# Altium PCB PCB2.PcbDoc (part 1 of 3) (continued)
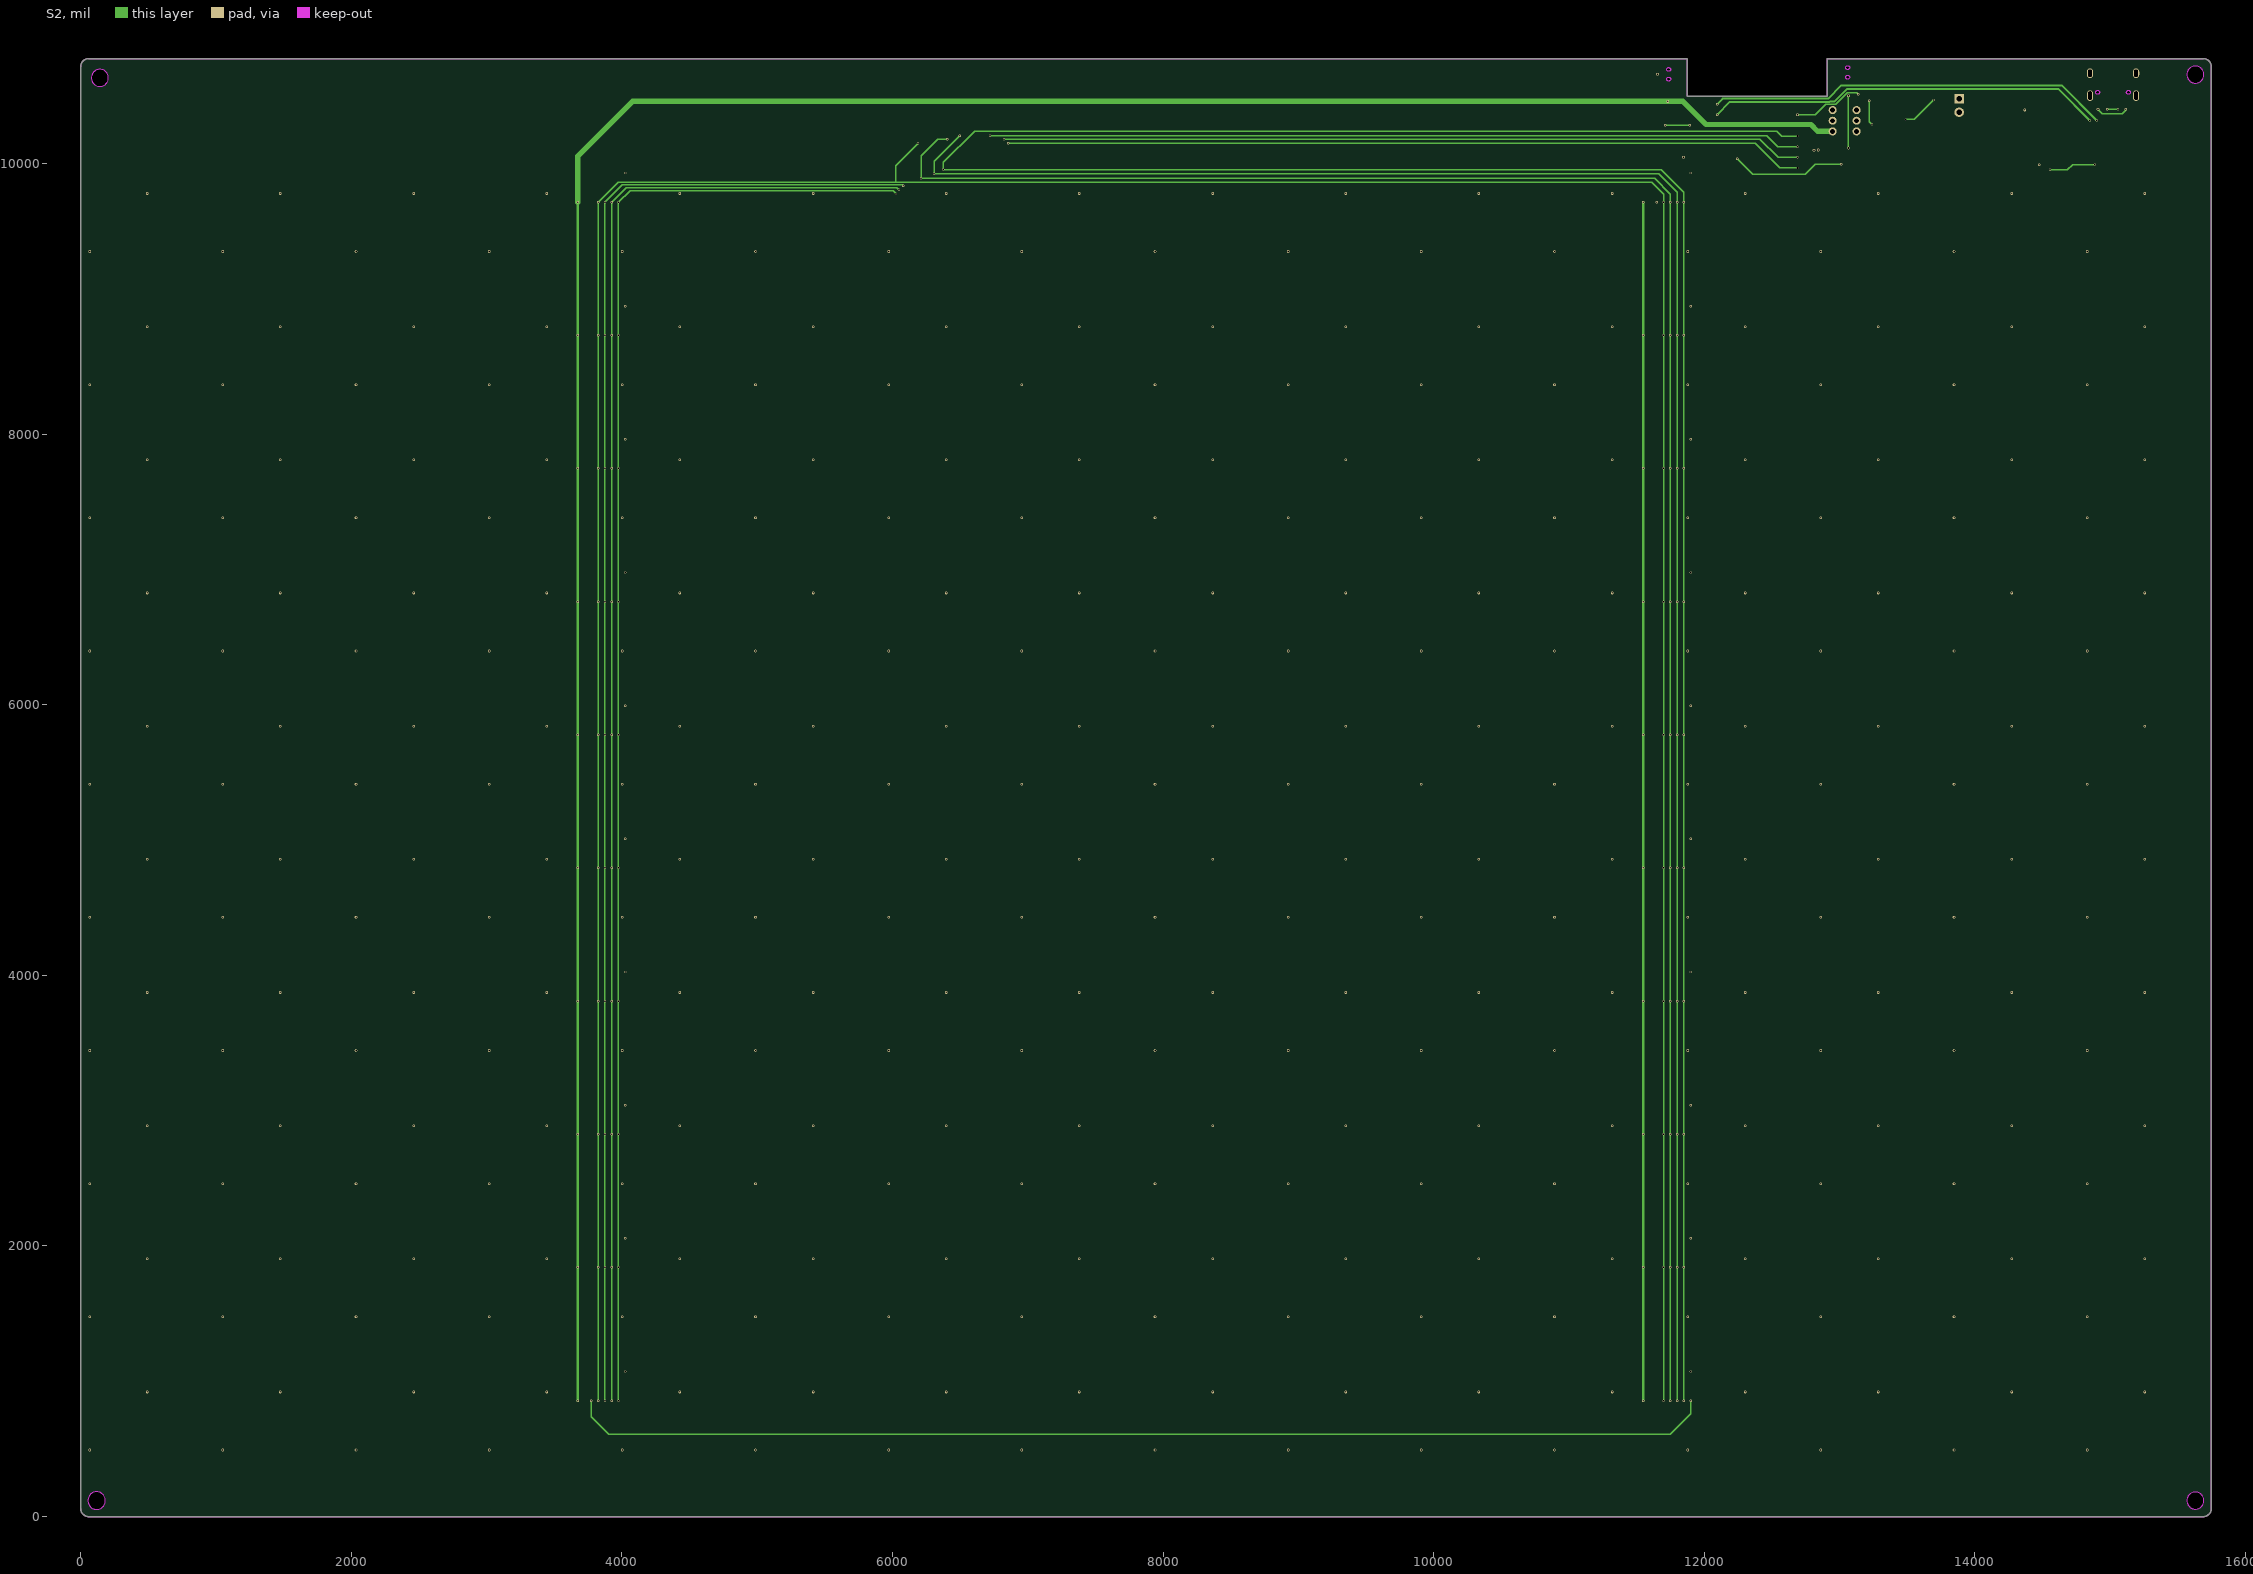
[diagram p3: S2]

## Layer stack, top to bottom
Top Solder: solder mask 0.4, Solder Resist, Dk 3.5
Top Layer: signal copper 1.4
Dielectric 1: core 10, FR-4, Dk 4.2
Y1: signal copper 1.4173
Dielectric 2: prepreg 5, Dk 4.2
S2: signal copper 1.4
Dielectric3: dielectric 12.6, FR-4, Dk 4.8
Bottom Layer: signal copper 1.4
Bottom Solder: solder mask 0.4, Solder Resist, Dk 3.5

## Board outline
-0.16,57.9 ccw(c58.9,57.9) 58.9,-1.16 15688.82,-1.16 ccw(c15688.82,57.9) 15747.87,57.9 15747.87,10715.38 ccw(c15688.82,10715.38) 15688.82,10774.43 12909,10774.43 12908.85,10774.28 12908.85,10497.3 11875.15,10497.3 11875.15,10774.28 59.05,10774.28 58.9,10774.43 ccw(c58.9,10715.38) -0.16,10715.38
cut-out: 15566.58,117.11 ccw(c15629.57,117.11) 15629.57,54.12 ccw(c15629.57,117.11) 15692.57,117.11 ccw(c15629.57,117.11) 15629.57,180.1 ccw(c15629.57,117.11)
cut-out: 52.99,116.95 ccw(c117.95,116.95) 117.95,51.99 ccw(c117.95,116.95) 182.91,116.95 ccw(c117.95,116.95) 117.95,181.91 ccw(c117.95,116.95)
cut-out: 78.58,10632.63 ccw(c141.57,10632.63) 141.57,10569.64 ccw(c141.57,10632.63) 204.57,10632.63 ccw(c141.57,10632.63) 141.57,10695.62 ccw(c141.57,10632.63)
cut-out: 15566.58,10656.63 ccw(c15629.57,10656.63) 15629.57,10593.64 ccw(c15629.57,10656.63) 15692.57,10656.63 ccw(c15629.57,10656.63) 15629.57,10719.62 ccw(c15629.57,10656.63)

## Design rules (kind name [scope] priority, off if disabled: settings)
Clearance [All] p1: gap=10 except(3.94: Via-Poly; 5: Track-Track Track-SMDPad Track-THPad Track-Via SMDPad-SMDPad)
MinimumSolderMaskSliver [All] p1: minsoldermaskwidth=0
PolygonConnect [All] p1: connectstyle=Direct reliefconductorwidth=10 reliefentries=4 polygonreliefangle="90 Angle" airgapwidth=10
RoutingVias [All] p1: holewidth=28 width=50 viastyle="Through Hole" minholewidth=28 minwidth=50 maxholewidth=28 maxwidth=50
SilkToSilkClearance [All] p1: silktosilkclearance=1
SilkToSolderMaskClearance [IsPad] p1: minsilkscreentomaskgap=0 clearancetoexposedcopper=TRUE
SolderMaskExpansion [All] p1: expansion=4
Width [All] p1: maxlimit=39.37 minlimit=5 preferedwidth=10
27 further rules are at their usual default settings.

## Components (designator, comment, footprint, x,y, rotation, side; value= is the part's Value field where it differs from the comment)
BR_1 "24K" R0603 15227,9600 r180 bottom (schematic designator R57)
BR_1_1 "24K" R0603 15227,8615.75 r180 bottom (schematic designator R57)
BR_1_2 "24K" R0603 15227,7631.5 r180 bottom (schematic designator R57)
BR_1_3 "24K" R0603 15227,6647.24 r180 bottom (schematic designator R57)
BR_1_4 "24K" R0603 15227,5662.99 r180 bottom (schematic designator R57)
BR_1_5 "24K" R0603 15227,4678.74 r180 bottom (schematic designator R57)
BR_1_6 "24K" R0603 15227,3694.49 r180 bottom (schematic designator R57)
BR_1_7 "24K" R0603 15227,2710.24 r180 bottom (schematic designator R57)
BR_1_8 "24K" R0603 15227,1725.98 r180 bottom (schematic designator R57)
BR_1_9 "24K" R0603 15227,741.73 r180 bottom (schematic designator R57)
BR_1_10 "24K" R0603 7352.98,9600 r180 bottom (schematic designator R57)
BR_1_11 "24K" R0603 7352.98,8615.75 r180 bottom (schematic designator R57)
BR_1_12 "24K" R0603 7352.98,7631.5 r180 bottom (schematic designator R57)
BR_1_13 "24K" R0603 7352.98,6647.24 r180 bottom (schematic designator R57)
BR_1_14 "24K" R0603 7352.98,5662.99 r180 bottom (schematic designator R57)
BR_1_15 "24K" R0603 7352.98,4678.74 r180 bottom (schematic designator R57)
BR_1_16 "24K" R0603 7352.98,3694.49 r180 bottom (schematic designator R57)
BR_1_17 "24K" R0603 7352.98,2710.24 r180 bottom (schematic designator R57)
BR_1_18 "24K" R0603 7352.98,1725.98 r180 bottom (schematic designator R57)
BR_1_19 "24K" R0603 7352.98,741.73 r180 bottom (schematic designator R57)
BR_2 "24K" R0603 14242.75,9600 r180 bottom (schematic designator R57)
BR_2_1 "24K" R0603 14242.75,8615.75 r180 bottom (schematic designator R57)
BR_2_2 "24K" R0603 14242.75,7631.5 r180 bottom (schematic designator R57)
BR_2_3 "24K" R0603 14242.75,6647.24 r180 bottom (schematic designator R57)
BR_2_4 "24K" R0603 14242.75,5662.99 r180 bottom (schematic designator R57)
BR_2_5 "24K" R0603 14242.75,4678.74 r180 bottom (schematic designator R57)
BR_2_6 "24K" R0603 14242.75,3694.49 r180 bottom (schematic designator R57)
BR_2_7 "24K" R0603 14242.75,2710.24 r180 bottom (schematic designator R57)
BR_2_8 "24K" R0603 14242.75,1725.98 r180 bottom (schematic designator R57)
BR_2_9 "24K" R0603 14242.75,741.73 r180 bottom (schematic designator R57)
BR_2_10 "24K" R0603 6368.73,9600 r180 bottom (schematic designator R57)
BR_2_11 "24K" R0603 6368.73,8615.75 r180 bottom (schematic designator R57)
BR_2_12 "24K" R0603 6368.73,7631.5 r180 bottom (schematic designator R57)
BR_2_13 "24K" R0603 6368.73,6647.24 r180 bottom (schematic designator R57)
BR_2_14 "24K" R0603 6368.73,5662.99 r180 bottom (schematic designator R57)
BR_2_15 "24K" R0603 6368.73,4678.74 r180 bottom (schematic designator R57)
BR_2_16 "24K" R0603 6368.73,3694.49 r180 bottom (schematic designator R57)
BR_2_17 "24K" R0603 6368.73,2710.24 r180 bottom (schematic designator R57)
BR_2_18 "24K" R0603 6368.73,1725.98 r180 bottom (schematic designator R57)
BR_2_19 "24K" R0603 6368.73,741.73 r180 bottom (schematic designator R57)
BR_3 "24K" R0603 13258.5,9600 r180 bottom (schematic designator R57)
BR_3_1 "24K" R0603 13258.5,8615.75 r180 bottom (schematic designator R57)
BR_3_2 "24K" R0603 13258.5,7631.5 r180 bottom (schematic designator R57)
BR_3_3 "24K" R0603 13258.5,6647.24 r180 bottom (schematic designator R57)
BR_3_4 "24K" R0603 13258.5,5662.99 r180 bottom (schematic designator R57)
BR_3_5 "24K" R0603 13258.5,4678.74 r180 bottom (schematic designator R57)
BR_3_6 "24K" R0603 13258.5,3694.49 r180 bottom (schematic designator R57)
BR_3_7 "24K" R0603 13258.5,2710.24 r180 bottom (schematic designator R57)
BR_3_8 "24K" R0603 13258.5,1725.98 r180 bottom (schematic designator R57)
BR_3_9 "24K" R0603 13258.5,741.73 r180 bottom (schematic designator R57)
BR_3_10 "24K" R0603 5384.48,9600 r180 bottom (schematic designator R57)
BR_3_11 "24K" R0603 5384.48,8615.75 r180 bottom (schematic designator R57)
BR_3_12 "24K" R0603 5384.48,7631.5 r180 bottom (schematic designator R57)
BR_3_13 "24K" R0603 5384.48,6647.24 r180 bottom (schematic designator R57)
BR_3_14 "24K" R0603 5384.48,5662.99 r180 bottom (schematic designator R57)
BR_3_15 "24K" R0603 5384.48,4678.74 r180 bottom (schematic designator R57)
BR_3_16 "24K" R0603 5384.48,3694.49 r180 bottom (schematic designator R57)
BR_3_17 "24K" R0603 5384.48,2710.24 r180 bottom (schematic designator R57)
BR_3_18 "24K" R0603 5384.48,1725.98 r180 bottom (schematic designator R57)
BR_3_19 "24K" R0603 5384.48,741.73 r180 bottom (schematic designator R57)
BR_4 "24K" R0603 12274.24,9600 r180 bottom (schematic designator R57)
BR_4_1 "24K" R0603 12274.24,8615.75 r180 bottom (schematic designator R57)
BR_4_2 "24K" R0603 12274.24,7631.5 r180 bottom (schematic designator R57)
BR_4_3 "24K" R0603 12274.24,6647.24 r180 bottom (schematic designator R57)
BR_4_4 "24K" R0603 12274.24,5662.99 r180 bottom (schematic designator R57)
BR_4_5 "24K" R0603 12274.24,4678.74 r180 bottom (schematic designator R57)
BR_4_6 "24K" R0603 12274.24,3694.49 r180 bottom (schematic designator R57)
BR_4_7 "24K" R0603 12274.24,2710.24 r180 bottom (schematic designator R57)
BR_4_8 "24K" R0603 12274.24,1725.98 r180 bottom (schematic designator R57)
BR_4_9 "24K" R0603 12274.24,741.73 r180 bottom (schematic designator R57)
BR_4_10 "24K" R0603 4400.23,9600 r180 bottom (schematic designator R57)
BR_4_11 "24K" R0603 4400.23,8615.75 r180 bottom (schematic designator R57)
BR_4_12 "24K" R0603 4400.23,7631.5 r180 bottom (schematic designator R57)
BR_4_13 "24K" R0603 4400.23,6647.24 r180 bottom (schematic designator R57)
BR_4_14 "24K" R0603 4400.23,5662.99 r180 bottom (schematic designator R57)
BR_4_15 "24K" R0603 4400.23,4678.74 r180 bottom (schematic designator R57)
BR_4_16 "24K" R0603 4400.23,3694.49 r180 bottom (schematic designator R57)
BR_4_17 "24K" R0603 4400.23,2710.24 r180 bottom (schematic designator R57)
BR_4_18 "24K" R0603 4400.23,1725.98 r180 bottom (schematic designator R57)
BR_4_19 "24K" R0603 4400.23,741.73 r180 bottom (schematic designator R57)
BR_5 "24K" R0603 11348,9600 r0 bottom (schematic designator R57)
BR_5_1 "24K" R0603 11348,8615.75 r0 bottom (schematic designator R57)
BR_5_2 "24K" R0603 11348,7631.5 r0 bottom (schematic designator R57)
BR_5_3 "24K" R0603 11348,6647.24 r0 bottom (schematic designator R57)
BR_5_4 "24K" R0603 11348,5662.99 r0 bottom (schematic designator R57)
BR_5_5 "24K" R0603 11348,4678.74 r0 bottom (schematic designator R57)
BR_5_6 "24K" R0603 11348,3694.49 r0 bottom (schematic designator R57)
BR_5_7 "24K" R0603 11348,2710.24 r0 bottom (schematic designator R57)
BR_5_8 "24K" R0603 11348,1725.98 r0 bottom (schematic designator R57)
BR_5_9 "24K" R0603 11348,741.73 r0 bottom (schematic designator R57)
BR_5_10 "24K" R0603 3473.98,9600 r0 bottom (schematic designator R57)
BR_5_11 "24K" R0603 3473.98,8615.75 r0 bottom (schematic designator R57)
BR_5_12 "24K" R0603 3473.98,7631.5 r0 bottom (schematic designator R57)
BR_5_13 "24K" R0603 3473.98,6647.24 r0 bottom (schematic designator R57)
BR_5_14 "24K" R0603 3473.98,5662.99 r0 bottom (schematic designator R57)
BR_5_15 "24K" R0603 3473.98,4678.74 r0 bottom (schematic designator R57)
BR_5_16 "24K" R0603 3473.98,3694.49 r0 bottom (schematic designator R57)
BR_5_17 "24K" R0603 3473.98,2710.24 r0 bottom (schematic designator R57)
BR_5_18 "24K" R0603 3473.98,1725.98 r0 bottom (schematic designator R57)
BR_5_19 "24K" R0603 3473.98,741.73 r0 bottom (schematic designator R57)
BR_6 "24K" R0603 10364,9599 r0 bottom (schematic designator R57)
BR_6_1 "24K" R0603 10364,8614.75 r0 bottom (schematic designator R57)
BR_6_2 "24K" R0603 10364,7630.5 r0 bottom (schematic designator R57)
BR_6_3 "24K" R0603 10364,6646.24 r0 bottom (schematic designator R57)
BR_6_4 "24K" R0603 10364,5661.99 r0 bottom (schematic designator R57)
BR_6_5 "24K" R0603 10364,4677.74 r0 bottom (schematic designator R57)
BR_6_6 "24K" R0603 10364,3693.49 r0 bottom (schematic designator R57)
BR_6_7 "24K" R0603 10364,2709.24 r0 bottom (schematic designator R57)
BR_6_8 "24K" R0603 10364,1724.98 r0 bottom (schematic designator R57)
BR_6_9 "24K" R0603 10364,740.73 r0 bottom (schematic designator R57)
BR_6_10 "24K" R0603 2489.98,9599 r0 bottom (schematic designator R57)
BR_6_11 "24K" R0603 2489.98,8614.75 r0 bottom (schematic designator R57)
BR_6_12 "24K" R0603 2489.98,7630.5 r0 bottom (schematic designator R57)
BR_6_13 "24K" R0603 2489.98,6646.24 r0 bottom (schematic designator R57)
BR_6_14 "24K" R0603 2489.98,5661.99 r0 bottom (schematic designator R57)
BR_6_15 "24K" R0603 2489.98,4677.74 r0 bottom (schematic designator R57)
BR_6_16 "24K" R0603 2489.98,3693.49 r0 bottom (schematic designator R57)
BR_6_17 "24K" R0603 2489.98,2709.24 r0 bottom (schematic designator R57)
BR_6_18 "24K" R0603 2489.98,1724.98 r0 bottom (schematic designator R57)
BR_6_19 "24K" R0603 2489.98,740.73 r0 bottom (schematic designator R57)
BR_7 "24K" R0603 9380,9598 r0 bottom (schematic designator R57)
BR_7_1 "24K" R0603 9380,8613.75 r0 bottom (schematic designator R57)
BR_7_2 "24K" R0603 9380,7629.5 r0 bottom (schematic designator R57)
BR_7_3 "24K" R0603 9380,6645.24 r0 bottom (schematic designator R57)
BR_7_4 "24K" R0603 9380,5660.99 r0 bottom (schematic designator R57)
BR_7_5 "24K" R0603 9380,4676.74 r0 bottom (schematic designator R57)
BR_7_6 "24K" R0603 9380,3692.49 r0 bottom (schematic designator R57)
BR_7_7 "24K" R0603 9380,2708.24 r0 bottom (schematic designator R57)
BR_7_8 "24K" R0603 9380,1723.98 r0 bottom (schematic designator R57)
BR_7_9 "24K" R0603 9380,739.73 r0 bottom (schematic designator R57)
BR_7_10 "24K" R0603 1505.98,9598 r0 bottom (schematic designator R57)
BR_7_11 "24K" R0603 1505.98,8613.75 r0 bottom (schematic designator R57)
BR_7_12 "24K" R0603 1505.98,7629.5 r0 bottom (schematic designator R57)
BR_7_13 "24K" R0603 1505.98,6645.24 r0 bottom (schematic designator R57)
BR_7_14 "24K" R0603 1505.98,5660.99 r0 bottom (schematic designator R57)
BR_7_15 "24K" R0603 1505.98,4676.74 r0 bottom (schematic designator R57)
BR_7_16 "24K" R0603 1505.98,3692.49 r0 bottom (schematic designator R57)
BR_7_17 "24K" R0603 1505.98,2708.24 r0 bottom (schematic designator R57)
BR_7_18 "24K" R0603 1505.98,1723.98 r0 bottom (schematic designator R57)
BR_7_19 "24K" R0603 1505.98,739.73 r0 bottom (schematic designator R57)
BR_8 "24K" R0603 8395,9601 r0 bottom (schematic designator R57)
BR_9 "24K" R0603 8395,8616.75 r0 bottom (schematic designator R57)
BR_10 "24K" R0603 8395,7632.5 r0 bottom (schematic designator R57)
BR_11 "24K" R0603 8395,6648.24 r0 bottom (schematic designator R57)
BR_12 "24K" R0603 8395,5663.99 r0 bottom (schematic designator R57)
BR_13 "24K" R0603 8395,4679.74 r0 bottom (schematic designator R57)
BR_14 "24K" R0603 8395,3695.49 r0 bottom (schematic designator R57)
BR_15 "24K" R0603 8395,2711.24 r0 bottom (schematic designator R57)
BR_16 "24K" R0603 8395,1726.98 r0 bottom (schematic designator R57)
BR_17 "24K" R0603 8395,742.73 r0 bottom (schematic designator R57)
BR_18 "24K" R0603 520.98,9601 r0 bottom (schematic designator R57)
BR_19 "24K" R0603 520.98,8616.75 r0 bottom (schematic designator R57)
BR_20 "24K" R0603 520.98,7632.5 r0 bottom (schematic designator R57)
BR_21 "24K" R0603 520.98,6648.24 r0 bottom (schematic designator R57)
BR_22 "24K" R0603 520.98,5663.99 r0 bottom (schematic designator R57)
BR_23 "24K" R0603 520.98,4679.74 r0 bottom (schematic designator R57)
BR_24 "24K" R0603 520.98,3695.49 r0 bottom (schematic designator R57)
BR_25 "24K" R0603 520.98,2711.24 r0 bottom (schematic designator R57)
BR_26 "24K" R0603 520.98,1726.98 r0 bottom (schematic designator R57)
BR_27 "24K" R0603 520.98,742.73 r0 bottom (schematic designator R57)
C1 "22u" C0805 13309.9,10423.8 r90 bottom
C2 "68pF" C0603#1 13495.72,10203.11 r180 bottom
C3 "22u" C0805 13218.7,10424.1 r90 bottom
C4 "CC0603KRX7R9BB104" C0603#1 14229.6,10149.46 r90 bottom
C5 "10u" C0805 13588.7,10418.6 r90 bottom
C6 "CC0603KRX7R9BB104" C0603#1 14114.4,10476.9 r90 bottom
C7 "C0603" C0603#2 14719.4,10131.2 r270 bottom
C8 "C0603" C0603#2 14639.2,10129.3 r90 bottom
C9 "100nF" C0603#1 14192.9,10476.2 r90 bottom
C12 "10u" C0603#1 12865.1,10041.2 r0 bottom
C13 "100nF" C0603#1 12865.1,9963.6 r0 bottom
C14 "100nF" C0603#1 14304,10150.3 r90 bottom
D1 "Comment" SC-79_L1.2-W0.8-LS1.6-RD 190.84,9348.84 r0 top locked
D1_1 "Comment" SC-79_L1.2-W0.8-LS1.6-RD 1175.09,9348.84 r0 top locked
D1_2 "Comment" SC-79_L1.2-W0.8-LS1.6-RD 2159.35,9348.84 r0 top locked
D1_3 "Comment" SC-79_L1.2-W0.8-LS1.6-RD 3143.6,9348.84 r0 top locked
D1_4 "Comment" SC-79_L1.2-W0.8-LS1.6-RD 4127.85,9348.84 r0 top locked
D1_5 "Comment" SC-79_L1.2-W0.8-LS1.6-RD 5112.1,9348.84 r0 top locked
D1_6 "Comment" SC-79_L1.2-W0.8-LS1.6-RD 6096.35,9348.84 r0 top locked
D1_7 "Comment" SC-79_L1.2-W0.8-LS1.6-RD 7080.61,9348.84 r0 top locked
D1_8 "Comment" SC-79_L1.2-W0.8-LS1.6-RD 8064.86,9348.84 r0 top locked
D1_9 "Comment" SC-79_L1.2-W0.8-LS1.6-RD 9049.11,9348.84 r0 top locked
D1_10 "Comment" SC-79_L1.2-W0.8-LS1.6-RD 10033.36,9348.84 r0 top locked
D1_11 "Comment" SC-79_L1.2-W0.8-LS1.6-RD 11017.61,9348.84 r0 top locked
D1_12 "Comment" SC-79_L1.2-W0.8-LS1.6-RD 12001.87,9348.84 r0 top locked
D1_13 "Comment" SC-79_L1.2-W0.8-LS1.6-RD 12986.12,9348.84 r0 top locked
D1_14 "Comment" SC-79_L1.2-W0.8-LS1.6-RD 13970.37,9348.84 r0 top locked
D1_15 "Comment" SC-79_L1.2-W0.8-LS1.6-RD 14954.62,9348.84 r0 top locked
D2 "Comment" SC-79_L1.2-W0.8-LS1.6-RD 190.84,8364.59 r0 top locked
D2_1 "Comment" SC-79_L1.2-W0.8-LS1.6-RD 1175.09,8364.59 r0 top locked
D2_2 "Comment" SC-79_L1.2-W0.8-LS1.6-RD 2159.35,8364.59 r0 top locked
D2_3 "Comment" SC-79_L1.2-W0.8-LS1.6-RD 3143.6,8364.59 r0 top locked
D2_4 "Comment" SC-79_L1.2-W0.8-LS1.6-RD 4127.85,8364.59 r0 top locked
D2_5 "Comment" SC-79_L1.2-W0.8-LS1.6-RD 5112.1,8364.59 r0 top locked
D2_6 "Comment" SC-79_L1.2-W0.8-LS1.6-RD 6096.35,8364.59 r0 top locked
D2_7 "Comment" SC-79_L1.2-W0.8-LS1.6-RD 7080.61,8364.59 r0 top locked
D2_8 "Comment" SC-79_L1.2-W0.8-LS1.6-RD 8064.86,8364.59 r0 top locked
D2_9 "Comment" SC-79_L1.2-W0.8-LS1.6-RD 9049.11,8364.59 r0 top locked
D2_10 "Comment" SC-79_L1.2-W0.8-LS1.6-RD 10033.36,8364.59 r0 top locked
D2_11 "Comment" SC-79_L1.2-W0.8-LS1.6-RD 11017.61,8364.59 r0 top locked
D2_12 "Comment" SC-79_L1.2-W0.8-LS1.6-RD 12001.87,8364.59 r0 top locked
D2_13 "Comment" SC-79_L1.2-W0.8-LS1.6-RD 12986.12,8364.59 r0 top locked
D2_14 "Comment" SC-79_L1.2-W0.8-LS1.6-RD 13970.37,8364.59 r0 top locked
D2_15 "Comment" SC-79_L1.2-W0.8-LS1.6-RD 14954.62,8364.59 r0 top locked
D3 "Comment" SC-79_L1.2-W0.8-LS1.6-RD 190.84,7380.34 r0 top locked
D3_1 "Comment" SC-79_L1.2-W0.8-LS1.6-RD 1175.09,7380.34 r0 top locked
D3_2 "Comment" SC-79_L1.2-W0.8-LS1.6-RD 2159.35,7380.34 r0 top locked
D3_3 "Comment" SC-79_L1.2-W0.8-LS1.6-RD 3143.6,7380.34 r0 top locked
D3_4 "Comment" SC-79_L1.2-W0.8-LS1.6-RD 4127.85,7380.34 r0 top locked
D3_5 "Comment" SC-79_L1.2-W0.8-LS1.6-RD 5112.1,7380.34 r0 top locked
D3_6 "Comment" SC-79_L1.2-W0.8-LS1.6-RD 6096.35,7380.34 r0 top locked
D3_7 "Comment" SC-79_L1.2-W0.8-LS1.6-RD 7080.61,7380.34 r0 top locked
D3_8 "Comment" SC-79_L1.2-W0.8-LS1.6-RD 8064.86,7380.34 r0 top locked
D3_9 "Comment" SC-79_L1.2-W0.8-LS1.6-RD 9049.11,7380.34 r0 top locked
D3_10 "Comment" SC-79_L1.2-W0.8-LS1.6-RD 10033.36,7380.34 r0 top locked
D3_11 "Comment" SC-79_L1.2-W0.8-LS1.6-RD 11017.61,7380.34 r0 top locked
D3_12 "Comment" SC-79_L1.2-W0.8-LS1.6-RD 12001.87,7380.34 r0 top locked
D3_13 "Comment" SC-79_L1.2-W0.8-LS1.6-RD 12986.12,7380.34 r0 top locked
D3_14 "Comment" SC-79_L1.2-W0.8-LS1.6-RD 13970.37,7380.34 r0 top locked
D3_15 "Comment" SC-79_L1.2-W0.8-LS1.6-RD 14954.62,7380.34 r0 top locked
D4 "Comment" SC-79_L1.2-W0.8-LS1.6-RD 190.84,6396.09 r0 top locked
D4_1 "Comment" SC-79_L1.2-W0.8-LS1.6-RD 1175.09,6396.09 r0 top locked
D4_2 "Comment" SC-79_L1.2-W0.8-LS1.6-RD 2159.35,6396.09 r0 top locked
D4_3 "Comment" SC-79_L1.2-W0.8-LS1.6-RD 3143.6,6396.09 r0 top locked
D4_4 "Comment" SC-79_L1.2-W0.8-LS1.6-RD 4127.85,6396.09 r0 top locked
D4_5 "Comment" SC-79_L1.2-W0.8-LS1.6-RD 5112.1,6396.09 r0 top locked
D4_6 "Comment" SC-79_L1.2-W0.8-LS1.6-RD 6096.35,6396.09 r0 top locked
D4_7 "Comment" SC-79_L1.2-W0.8-LS1.6-RD 7080.61,6396.09 r0 top locked
D4_8 "Comment" SC-79_L1.2-W0.8-LS1.6-RD 8064.86,6396.09 r0 top locked
D4_9 "Comment" SC-79_L1.2-W0.8-LS1.6-RD 9049.11,6396.09 r0 top locked
D4_10 "Comment" SC-79_L1.2-W0.8-LS1.6-RD 10033.36,6396.09 r0 top locked
D4_11 "Comment" SC-79_L1.2-W0.8-LS1.6-RD 11017.61,6396.09 r0 top locked
D4_12 "Comment" SC-79_L1.2-W0.8-LS1.6-RD 12001.87,6396.09 r0 top locked
D4_13 "Comment" SC-79_L1.2-W0.8-LS1.6-RD 12986.12,6396.09 r0 top locked
D4_14 "Comment" SC-79_L1.2-W0.8-LS1.6-RD 13970.37,6396.09 r0 top locked
D4_15 "Comment" SC-79_L1.2-W0.8-LS1.6-RD 14954.62,6396.09 r0 top locked
D5 "Comment" SC-79_L1.2-W0.8-LS1.6-RD 190.84,5411.83 r0 top locked
D5_1 "Comment" SC-79_L1.2-W0.8-LS1.6-RD 1175.09,5411.83 r0 top locked
D5_2 "Comment" SC-79_L1.2-W0.8-LS1.6-RD 2159.35,5411.83 r0 top locked
D5_3 "Comment" SC-79_L1.2-W0.8-LS1.6-RD 3143.6,5411.83 r0 top locked
D5_4 "Comment" SC-79_L1.2-W0.8-LS1.6-RD 4127.85,5411.83 r0 top locked
D5_5 "Comment" SC-79_L1.2-W0.8-LS1.6-RD 5112.1,5411.83 r0 top locked
D5_6 "Comment" SC-79_L1.2-W0.8-LS1.6-RD 6096.35,5411.83 r0 top locked
D5_7 "Comment" SC-79_L1.2-W0.8-LS1.6-RD 7080.61,5411.83 r0 top locked
D5_8 "Comment" SC-79_L1.2-W0.8-LS1.6-RD 8064.86,5411.83 r0 top locked
D5_9 "Comment" SC-79_L1.2-W0.8-LS1.6-RD 9049.11,5411.83 r0 top locked
D5_10 "Comment" SC-79_L1.2-W0.8-LS1.6-RD 10033.36,5411.83 r0 top locked
D5_11 "Comment" SC-79_L1.2-W0.8-LS1.6-RD 11017.61,5411.83 r0 top locked
D5_12 "Comment" SC-79_L1.2-W0.8-LS1.6-RD 12001.87,5411.83 r0 top locked
D5_13 "Comment" SC-79_L1.2-W0.8-LS1.6-RD 12986.12,5411.83 r0 top locked
D5_14 "Comment" SC-79_L1.2-W0.8-LS1.6-RD 13970.37,5411.83 r0 top locked
D5_15 "Comment" SC-79_L1.2-W0.8-LS1.6-RD 14954.62,5411.83 r0 top locked
D6 "Comment" SC-79_L1.2-W0.8-LS1.6-RD 190.84,4427.58 r0 top locked
D6_1 "Comment" SC-79_L1.2-W0.8-LS1.6-RD 1175.09,4427.58 r0 top locked
D6_2 "Comment" SC-79_L1.2-W0.8-LS1.6-RD 2159.35,4427.58 r0 top locked
D6_3 "Comment" SC-79_L1.2-W0.8-LS1.6-RD 3143.6,4427.58 r0 top locked
D6_4 "Comment" SC-79_L1.2-W0.8-LS1.6-RD 4127.85,4427.58 r0 top locked
D6_5 "Comment" SC-79_L1.2-W0.8-LS1.6-RD 5112.1,4427.58 r0 top locked
D6_6 "Comment" SC-79_L1.2-W0.8-LS1.6-RD 6096.35,4427.58 r0 top locked
D6_7 "Comment" SC-79_L1.2-W0.8-LS1.6-RD 7080.61,4427.58 r0 top locked
D6_8 "Comment" SC-79_L1.2-W0.8-LS1.6-RD 8064.86,4427.58 r0 top locked
D6_9 "Comment" SC-79_L1.2-W0.8-LS1.6-RD 9049.11,4427.58 r0 top locked
D6_10 "Comment" SC-79_L1.2-W0.8-LS1.6-RD 10033.36,4427.58 r0 top locked
D6_11 "Comment" SC-79_L1.2-W0.8-LS1.6-RD 11017.61,4427.58 r0 top locked